# Altium PCB Ixora.PcbDoc (part 11 of 13)
Units mm, origin at the board's own origin, x right, y up, seen from the top; angles counter-clockwise.
Board outline 125 x 90 mm, 6 copper layers (Top Layer, GND, Mid-Layer 1, Mid-Layer 2, POWER, Bottom Layer), stack 1.561 mm thick; 454 components, 512 nets, 2071 pads, 863 vias.
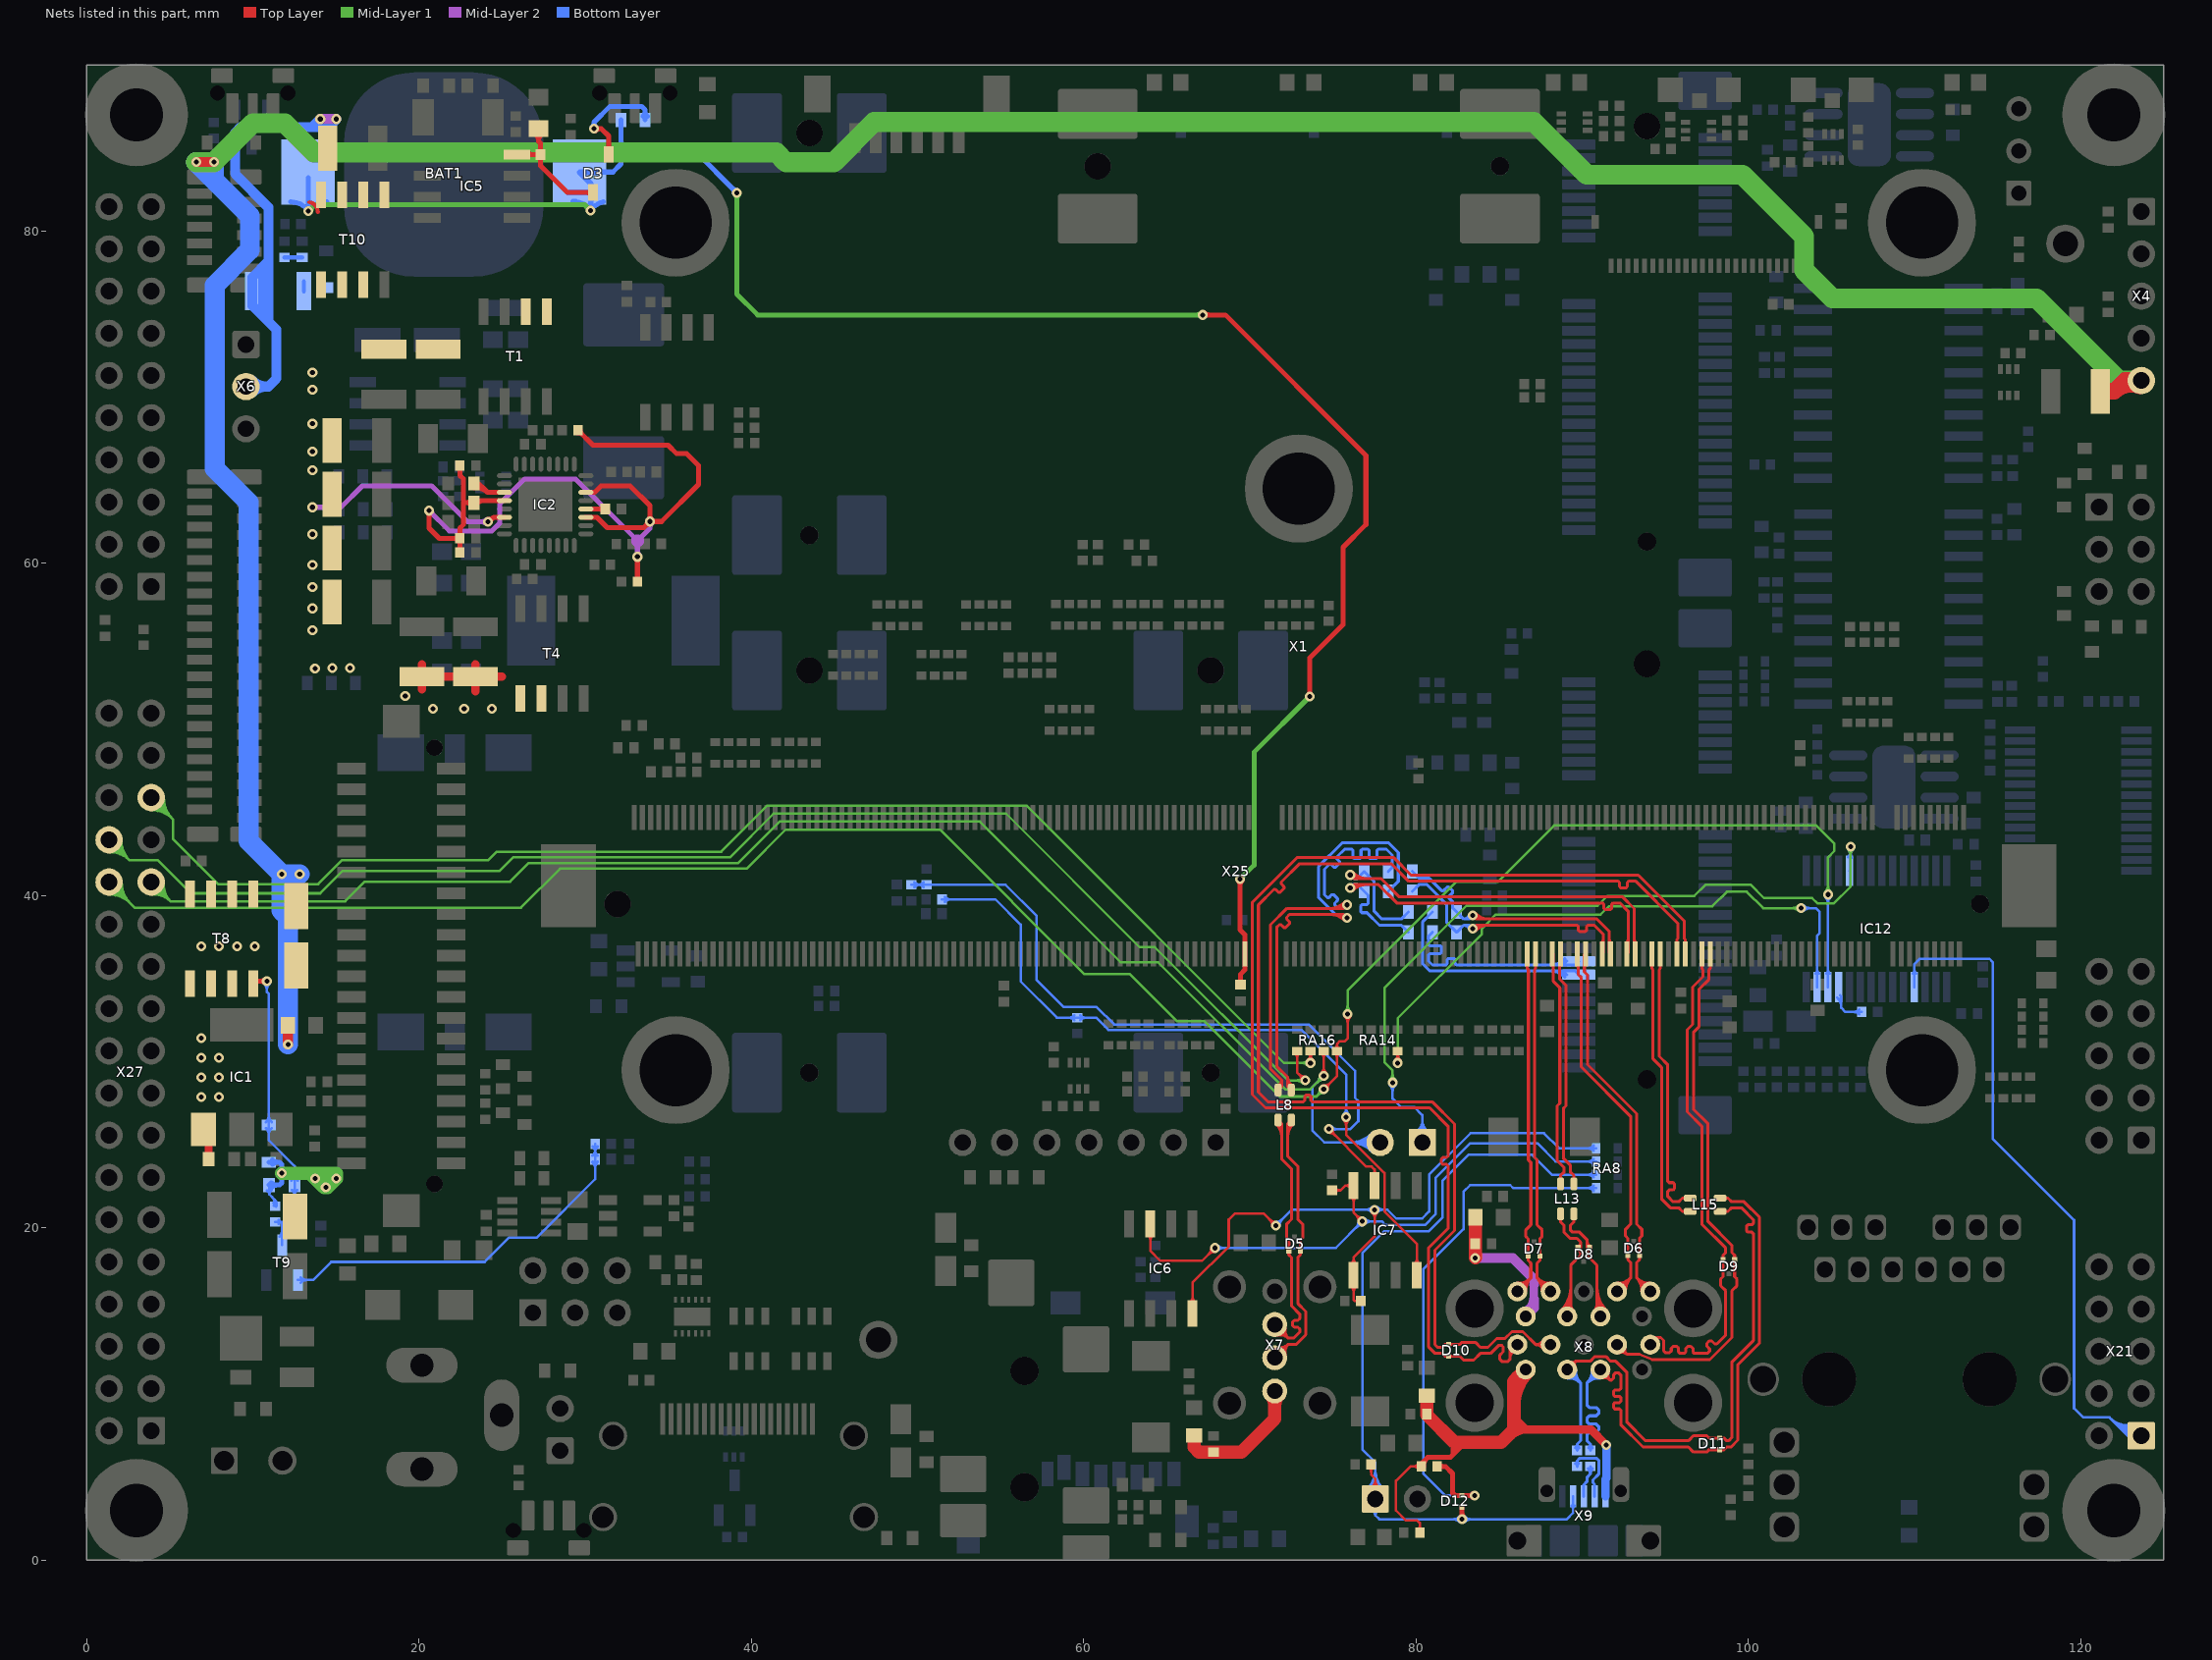
[diagram p15: the nets of this part, all layers, seen from the top]

## Via types
v1: diameter 0.6, hole 0.3, Top Layer to Bottom Layer, tented both sides, 852 vias
v2: diameter 0.6, hole 0.3, Top Layer to Bottom Layer, 11 vias

## Nets (pads, with @x,y where several pads share a name; then routed paths per layer and width w, separated by ;. In a path a pad name is that pad's centre, name@x,y a point inside that pad or via, vN(x,y) a via of type N, cw(c..) or ccw(c..) an arc to the next point about the centre after c; other vN are vias at no path point) (continued)
UART2_TXD: IC12.13 RA14.5 | length 42.7
  Top Layer w0.15: v1@78.741,30.093 ccw(c78.357,30.477) 78.9,30.477 ccw(c79.443,30.477) v1@79.059,30.093 ; RA14.5@78.776,30.51 cw(c78.477,30.211) 78.9,30.211 cw(c79.322,30.212) RA14.5@79.024,30.51 ; v1@78.79,30.13 ccw(c78.654,30.375) 78.924,30.303 ccw(c79.064,30.265) v1@79,30.136 ; v1@78.8,30.136 ccw(c78.736,30.265) 78.876,30.303 ccw(c79.146,30.375) v1@79.01,30.13 ; v1(78.9,29.934) RA14.5@78.9,30.634
  Mid-Layer 1 w0.15: v1@78.741,30.093 ccw(c78.357,30.477) 78.9,30.477 ccw(c79.443,30.477) v1@79.059,30.093 ; v1(78.9,29.934) 78.9,32.624 83.971,37.695 83.971,38.025 84.808,38.862 91.11,38.862 91.618,39.37 97.841,39.37 98.704,40.234 99.91,40.234 100.89,39.253 v1(103.176,39.253) ; v1@103.017,39.094 ccw(c102.632,38.71) 102.632,39.253 ccw(c102.632,39.796) v1@103.017,39.412
  Bottom Layer w0.15: v1(103.176,39.253) 104.054,39.253 104.292,39.014 104.292,37.744 104.143,37.595 IC12.13@104.143,34.5 ; v1@103.335,39.094 cw(c103.719,38.71) 103.719,39.253 cw(c103.719,39.796) v1@103.335,39.412 ; IC12.13@104.037,35.306 ccw(c103.781,35.562) 104.143,35.562 ccw(c104.505,35.562) IC12.13@104.249,35.306
UART3_RS232_RXD: IC12.4 X21.1 | length 50.4
  Bottom Layer w0.15: IC12.4@109.887,35.306 ccw(c109.631,35.562) 109.993,35.562 ccw(c110.355,35.562) IC12.4@110.099,35.306 ; IC12.4@109.993,34.5 109.993,35.878 110.321,36.205 114.502,36.205 114.706,36.001 114.706,25.375 119.6,20.481 119.6,9.15 120.15,8.6 121.727,8.6 ; 121.898,8.429 ccw(c122.963,9.495) X21.1@123.447,8.068 ; 122.068,8.259 ccw(c123.049,9.24) X21.1@123.495,7.926 ; 122.239,8.088 ccw(c123.136,8.985) X21.1@123.544,7.784 ; 122.409,7.918 ccw(c123.222,8.731) X21.1@123.592,7.642 ; 122.58,7.747 ccw(c123.309,8.476) X21.1@123.64,7.5 122.827,7.5 121.727,8.6 ; 122.75,7.577 ccw(c123.395,8.221) X21.1@123.688,7.358 ; X21.1@123.399,8.21 cw(c122.876,9.749) 121.727,8.6
UART3_RS232_TXD: IC12.11 R115.1 | length 4
  Bottom Layer w0.15: IC12.11@105.337,33.872 cw(c104.732,33.267) 105.588,33.267 ; IC12.11@105.443,33.8 cw(c105.094,33.451) 105.588,33.451 ; IC12.11@105.512,34.011 105.588,33.935 105.588,33.249 105.836,33 R115.1@106.827,33 ; R115.1@106.679,32.852 ccw(c106.32,32.493) 106.32,33 ccw(c106.32,33.507) R115.1@106.679,33.149
UART3_RXD: JP3.2 RA16.6 X27.27 | length 105.3
  Top Layer w0.15: v1@74.291,29.311 ccw(c73.907,29.696) 74.45,29.696 ccw(c74.993,29.696) v1@74.609,29.311 ; RA16.6@74.326,30.51 cw(c74.028,30.211) 74.45,30.211 cw(c74.872,30.212) RA16.6@74.574,30.51 ; v1(74.45,29.152) RA16.6@74.45,30.634
  Mid-Layer 1 w0.15: X27.27@3.9,40.82 5.053,39.667 ; X27.27@3.935,40.371 cw(c3.999,39.535) 4.592,40.128 cw(c5.185,40.721) X27.27@4.349,40.785 ; X27.27@3.946,40.222 cw(c4.032,39.107) 4.822,39.898 cw(c5.613,40.688) X27.27@4.498,40.774 ; X27.27@3.958,40.072 cw(c4.065,38.679) 5.053,39.667 ; X27.27@4.648,40.762 ccw(c6.041,40.655) 5.053,39.667 ; v1@74.225,29.152 cw(c73.682,29.152) 74.066,28.768 cw(c74.45,28.384) v1@74.45,28.927 ; v1(74.45,29.152) 73.644,28.346 72.136,28.346 64.491,35.992 62.23,35.992 53.763,44.458 41.708,44.458 39.22,41.97 26.62,41.97 25.5,40.85 16.75,40.85 15.567,39.667 5.053,39.667
  Bottom Layer w0.15: v1@74.225,29.152 cw(c73.682,29.152) 74.066,28.768 cw(c74.45,28.384) v1@74.45,28.927 ; v1(74.45,29.152) 73.762,28.464 73.762,25.868 74.48,25.15 JP3.2@77.844,25.15 ; JP3.2@77.314,24.62 ccw(c76.033,23.339) 76.033,25.15 ccw(c76.033,26.961) JP3.2@77.314,25.68 ; JP3.2@77.42,24.726 ccw(c76.395,23.701) 76.395,25.15 ccw(c76.395,26.599) JP3.2@77.42,25.574 ; JP3.2@77.526,24.832 ccw(c76.758,24.064) 76.758,25.15 ccw(c76.758,26.236) JP3.2@77.526,25.468
UART3_RXD_J: IC12.19 JP3.1 | length 53.7
  Mid-Layer 1 w0.15: v1@78.436,28.912 ccw(c78.052,29.296) 78.595,29.296 ccw(c79.138,29.296) v1@78.754,28.912 ; v1(78.595,28.753) 78.595,29.482 78.1,29.977 78.1,34.451 83.045,39.395 90.932,39.395 91.516,39.98 96.749,39.98 97.435,40.666 100.132,40.666 100.946,39.853 103.841,39.853 104.168,39.525 105.133,39.525 106.15,40.542 v1(106.15,42.95) ; v1@105.991,42.791 cw(c105.607,42.407) 106.15,42.407 cw(c106.693,42.407) v1@106.309,42.791
  Bottom Layer w0.15: v1@78.436,28.594 cw(c78.052,28.21) 78.595,28.21 cw(c79.138,28.21) v1@78.754,28.594 ; v1(78.595,28.753) 78.595,27.796 79.112,27.28 79.902,27.28 80.384,26.797 JP3.1@80.384,25.15 ; JP3.1@80.002,25.795 ccw(c79.605,26.466) 80.384,26.466 ccw(c81.163,26.466) JP3.1@80.766,25.795 ; JP3.1@80.078,25.666 ccw(c79.76,26.203) 80.384,26.203 ccw(c81.008,26.203) JP3.1@80.69,25.666 ; IC12.19@105.987,42.306 ccw(c105.594,42.699) v1@106.15,42.699 ; v1@105.994,42.788 cw(c105.638,42.42) 106.15,42.42 cw(c106.662,42.42) v1@106.306,42.788 ; IC12.19@106.018,42.33 ccw(c105.841,42.638) 106.184,42.546 ; IC12.19@106.05,42.344 ccw(c106.016,42.458) 106.131,42.489 ; IC12.19@106.093,41.5 106.15,41.557 v1(106.15,42.95) ; 106.15,42.425 ccw(c106.318,42.425) IC12.19@106.199,42.306 ; 106.186,42.555 ccw(c106.543,42.459) IC12.19@106.223,42.275
UART3_TXD: IC12.12 RA16.5 X27.28 | length 145.7
  Top Layer w0.15: v1(74.45,28.35) 75.25,29.15 RA16.5@75.25,30.634 75.25,31.079 75.413,31.242 75.729,31.242 75.889,31.402 v1(75.889,32.872) ; v1@74.45,28.575 ccw(c74.45,29.118) 74.834,28.734 ccw(c75.218,28.35) v1@74.675,28.35 ; RA16.5@75.126,30.51 cw(c74.828,30.212) 75.25,30.212 cw(c75.672,30.212) RA16.5@75.374,30.51 ; RA16.5@75.126,30.758 ccw(c74.828,31.056) 75.25,31.056 ccw(c75.672,31.056) RA16.5@75.374,30.758 ; v1@75.73,32.713 cw(c75.346,32.329) 75.889,32.329 cw(c76.432,32.329) v1@76.048,32.713
  Mid-Layer 1 w0.15: X27.28@1.36,40.07 cw(c1.36,38.259) 2.64,39.54 cw(c3.921,40.82) X27.28@2.11,40.82 ; X27.28@1.36,40.22 cw(c1.36,38.771) 2.384,39.796 cw(c3.409,40.82) X27.28@1.96,40.82 ; X27.28@1.36,40.37 cw(c1.36,39.284) 2.128,40.052 cw(c2.896,40.82) X27.28@1.81,40.82 ; X27.28@1.36,40.82 2.9,39.28 26.15,39.28 28.501,41.631 39.731,41.631 42.075,43.975 51.351,43.975 60.046,35.281 62.789,35.281 65.608,32.461 67.259,32.461 71.806,27.915 74.015,27.915 v1(74.45,28.35) ; v1@74.225,28.35 cw(c73.682,28.35) 74.066,27.966 cw(c74.45,27.582) v1@74.45,28.125 ; v1@75.73,33.031 ccw(c75.346,33.415) 75.889,33.415 ccw(c76.432,33.415) v1@76.048,33.031 ; v1(75.889,32.872) 75.889,34.287 82.445,40.843 84.94,40.843 88.318,44.221 104.089,44.221 105.181,43.129 105.181,42.697 104.793,42.309 v1(104.793,40.069) ; v1@104.634,40.228 ccw(c104.25,40.613) 104.793,40.613 ccw(c105.336,40.613) v1@104.952,40.228
  Bottom Layer w0.15: v1@104.634,39.91 cw(c104.25,39.526) 104.793,39.526 cw(c105.336,39.526) v1@104.952,39.91 ; IC12.12@104.687,35.306 ccw(c104.431,35.562) 104.793,35.562 ccw(c105.155,35.562) IC12.12@104.899,35.306 ; IC12.12@104.793,34.5 v1(104.793,40.069)
UART4_RXD: RA16.8 X27.30 | length 92.5
  Top Layer w0.15: RA16.8@72.726,30.51 cw(c72.428,30.212) 72.85,30.212 cw(c73.272,30.212) RA16.8@72.974,30.51 ; RA16.8@72.85,30.634 72.85,29.364 v1(73.333,28.881) ; v1@73.108,28.881 ccw(c72.564,28.881) 72.949,29.265 ccw(c73.333,29.65) v1@73.333,29.106
  Mid-Layer 1 w0.15: X27.30@1.36,43.36 2.57,42.15 ; X27.30@1.378,42.91 cw(c1.417,41.965) 2.086,42.634 cw(c2.755,43.303) X27.30@1.81,43.342 ; X27.30@1.384,42.76 cw(c1.436,41.5) 2.328,42.392 cw(c3.22,43.284) X27.30@1.96,43.336 ; X27.30@1.391,42.611 cw(c1.455,41.035) 2.57,42.15 ; X27.30@2.109,43.329 ccw(c3.685,43.265) 2.57,42.15 ; v1@73.174,28.722 ccw(c72.789,28.338) 72.789,28.881 ccw(c72.789,29.425) v1@73.174,29.04 ; v1(73.333,28.881) 72.312,28.881 64.287,36.906 63.373,36.906 55.338,44.942 41.342,44.942 38.71,42.31 25.673,42.31 24.841,41.478 15.398,41.478 14.062,40.142 6.287,40.142 4.279,42.15 2.57,42.15
UART4_TXD: RA16.7 X27.31 | length 91.7
  Top Layer w0.15: v1@73.491,30.093 ccw(c73.107,30.477) 73.65,30.477 ccw(c74.193,30.477) v1@73.809,30.093 ; RA16.7@73.526,30.51 cw(c73.228,30.211) 73.65,30.211 cw(c74.072,30.212) RA16.7@73.774,30.51 ; v1@73.54,30.13 ccw(c73.404,30.375) 73.674,30.303 ccw(c73.814,30.265) v1@73.75,30.136 ; v1@73.55,30.136 ccw(c73.486,30.265) 73.626,30.303 ccw(c73.896,30.375) v1@73.76,30.13 ; v1(73.65,29.934) RA16.7@73.65,30.634
  Mid-Layer 1 w0.15: X27.31@3.9,45.15 cw(c3.9,43.339) 5.18,44.62 cw(c6.461,45.9) X27.31@4.65,45.9 ; X27.31@3.9,45.3 cw(c3.9,43.851) 4.924,44.876 cw(c5.949,45.9) X27.31@4.5,45.9 ; X27.31@3.9,45.45 cw(c3.9,44.364) 4.668,45.132 cw(c5.436,45.9) X27.31@4.35,45.9 ; X27.31@3.9,45.9 5.2,44.6 5.2,43.416 7.916,40.7 13.95,40.7 15.389,42.139 24.181,42.139 24.692,42.65 38.2,42.65 40.975,45.425 56.564,45.425 72.055,29.934 v1(73.65,29.934) ; v1@73.491,29.775 ccw(c73.107,29.391) 73.107,29.934 ccw(c73.107,30.477) v1@73.491,30.093
USBH2_D_N: R50.1 R118.1 X1.82 | length 29.4
  Top Layer w0.18: v1(76.045,40.461) 76.255,40.671 77.731,40.671 78.843,39.559 90.551,39.559 91.229,39.559 91.301,39.487 91.301,39.24 91.373,39.168 91.711,39.168 91.783,39.24 91.783,39.487 91.855,39.559 92.024,39.559 92.277,39.559 92.765,39.071 92.765,36.565 X1.82@92.7,36.5 ; v1@76.067,40.44 cw(c76.625,39.881) 76.625,40.671 ; v1@76.194,40.312 cw(c77.059,39.447) 77.059,40.671 ; X1.82@92.658,37.142 ccw(c92.398,37.402) 92.765,37.402
  Bottom Layer w0.18: v1(76.045,40.461) 76.255,40.671 76.473,40.671 ; v1@76.075,40.46 cw(c76.29,40.457) 76.29,40.671 ; v1@76.255,40.457 cw(c76.473,40.453) 76.473,40.671 ; R118.1@79.547,37.8 79.123,38.225 77.799,38.225 77.047,38.976 76.74,38.976 76.668,39.048 76.668,39.386 76.74,39.458 77.047,39.458 77.12,39.53 77.12,40.024 R50.1@76.885,40.259 76.473,40.671
USBH2_D_P: R69.1 R119.1 X1.80 | length 29.4
  Top Layer w0.18: v1(76.045,41.251) 76.255,41.041 77.884,41.041 78.997,39.929 92.431,39.929 93.135,39.224 93.135,36.565 X1.80@93.2,36.5 ; v1@76.067,41.272 ccw(c76.625,41.83) 76.625,41.041 ; v1@76.194,41.399 ccw(c77.059,42.265) 77.059,41.041 ; 93.135,37.402 ccw(c93.502,37.402) X1.80@93.242,37.142
  Bottom Layer w0.18: v1(76.045,41.251) 76.255,41.041 76.473,41.041 ; v1@76.075,41.251 ccw(c76.29,41.255) 76.29,41.041 ; v1@76.255,41.255 ccw(c76.473,41.258) 76.473,41.041 ; R119.1@79.547,39.019 79.123,38.595 77.952,38.595 77.49,39.057 77.49,40.848 R69.1@76.885,41.453 76.473,41.041
USBH3_D_N: R96.1 R120.1 X1.88 | length 18.8
  Top Layer w0.18: v1(83.413,38.015) 83.623,38.225 83.998,38.225 ; v1@83.435,37.995 cw(c83.95,37.533) 83.95,38.225 ; v1@83.569,37.875 cw(c84.353,37.171) 84.353,38.225 83.998,38.225 ; X1.88@91.158,37.142 ccw(c90.898,37.402) 91.265,37.402 ; X1.88@91.2,36.5 91.265,36.565 91.265,37.69 90.73,38.225 90.5,38.225 90.331,38.225 90.259,38.152 90.259,37.906 90.187,37.834 89.849,37.834 89.777,37.906 89.777,38.152 89.705,38.225 88.798,38.225 83.998,38.225
  Bottom Layer w0.18: R96.1@79.782,40.257 80.207,40.681 80.639,40.681 81.84,39.48 81.84,38.405 R120.1@82.445,37.8 82.87,38.225 ; 83.102,38.225 cw(c83.102,37.934) v1@83.384,38.007 ; v1@83.209,37.962 ccw(c82.87,37.874) 82.87,38.225 ; v1(83.413,38.015) 83.203,38.225 82.87,38.225
USBH3_D_P: R103.1 R126.1 X1.86 | length 18.8
  Top Layer w0.18: v1(83.413,38.805) 83.623,38.595 83.998,38.595 ; v1@83.435,38.825 ccw(c83.95,39.287) 83.95,38.595 ; v1@83.569,38.945 ccw(c84.353,39.648) 84.353,38.595 83.998,38.595 ; 91.635,37.402 ccw(c92.002,37.402) X1.86@91.742,37.142 ; X1.86@91.7,36.5 91.635,36.565 91.635,37.843 90.883,38.595 83.998,38.595
  Bottom Layer w0.18: R103.1@79.782,41.476 80.207,41.051 80.792,41.051 81.545,40.299 81.647,40.299 81.873,40.525 81.976,40.525 82.214,40.286 82.214,40.184 81.988,39.958 81.988,39.856 82.21,39.633 82.21,39.254 R126.1@82.445,39.019 82.87,38.595 ; 83.102,38.595 ccw(c83.102,38.885) v1@83.384,38.812 ; v1@83.209,38.857 cw(c82.87,38.946) 82.87,38.595 ; v1(83.413,38.805) 83.203,38.595 82.87,38.595
USBH4_D_CON_N: D8.2 L13.3 X8.U2 | length 12.5
  Top Layer w0.18: L13.3@88.7,20.854 88.7,20.365 88.915,20.15 88.915,19.735 89.271,19.38 89.686,19.38 89.915,19.151 ; X8.U2@88.739,15.041 ccw(c87.362,16.418) 89.31,16.418 ; X8.U2@88.867,14.913 ccw(c87.796,15.984) 89.31,15.984 ; X8.U2@88.994,14.786 ccw(c88.231,15.549) 89.31,15.549 ; X8.U2@89.1,14.68 89.31,14.89 89.31,17.765 89.915,18.37 89.915,19.151 ; 89.31,15.404 ccw(c89.824,15.404) X8.U2@89.461,15.041 ; D8.2@89.711,18.791 cw(c89.319,18.342) 89.915,18.342 ; D8.2@89.731,18.893 ccw(c89.643,19.151) 89.915,19.151 ; D8.2@89.789,18.723 ccw(c89.729,18.899) 89.915,18.899 ; D8.2@89.829,18.927 cw(c89.664,18.737) 89.915,18.737
USBH4_D_CON_P: D8.1 L13.4 X8.U3 | length 12.6
  Top Layer w0.18: L13.4@89.5,20.854 89.5,20.365 89.285,20.15 89.285,19.889 89.424,19.75 89.839,19.75 90.285,19.304 ; 90.285,18.342 cw(c90.881,18.342) D8.1@90.489,18.791 ; 90.285,18.737 cw(c90.536,18.737) D8.1@90.371,18.927 ; 90.285,18.93 ccw(c90.525,18.93) D8.1@90.375,18.742 ; D8.1@90.487,18.883 cw(c90.824,19.304) 90.285,19.304 ; X8.U3@90.739,15.041 ccw(c90.376,15.404) 90.89,15.404 ; 90.89,15.549 ccw(c91.969,15.549) X8.U3@91.206,14.786 ; 90.89,15.984 ccw(c92.404,15.984) X8.U3@91.333,14.913 ; 90.89,16.418 ccw(c92.838,16.418) X8.U3@91.461,15.041 ; X8.U3@91.1,14.68 90.89,14.89 90.89,17.765 90.285,18.37 90.285,19.304
USBH4_D_N: L13.2 X1.100 | length 14.6
  Top Layer w0.18: X1.100@88.158,35.858 cw(c87.898,35.598) 88.265,35.598 ; X1.100@88.2,36.5 88.265,36.435 88.265,34.845 88.657,34.453 88.657,27.504 88.5,27.347 88.5,24.05 88.915,23.635 88.915,23.38 88.7,23.165 L13.2@88.7,22.654
USBH4_D_P: L13.1 X1.98 | length 14.6
  Top Layer w0.18: 88.635,35.598 cw(c89.002,35.598) X1.98@88.742,35.858 ; X1.98@88.7,36.5 88.635,36.435 88.635,34.998 89.027,34.606 89.027,27.351 88.87,27.194 88.87,24.203 89.285,23.788 89.285,23.38 89.5,23.165 L13.1@89.5,22.654
USBH4_SSRX_N: D6.2 X1.92 X8.U5 | length 25.4
  Top Layer w0.18: 90.135,35.598 cw(c90.502,35.598) X1.92@90.242,35.858 ; X1.92@90.2,36.5 90.135,36.435 90.135,35.411 90.322,35.223 90.322,29.837 93.285,26.875 93.285,20.23 93.59,19.925 93.59,19.519 93.45,19.38 D6.2@93.45,18.347 93.45,18.097 93.285,17.932 93.285,16.995 ; X8.U5@93.591,16.204 ccw(c92.544,16.254) 93.285,16.995 ; X8.U5@93.77,16.196 ccw(c93.093,16.228) 93.573,16.707 ccw(c94.052,17.187) X8.U5@94.084,16.51 ; X8.U5@94.076,16.689 cw(c94.026,17.736) 93.285,16.995 ; X8.U5@94.1,16.18 93.285,16.995
USBH4_SSRX_P: D6.1 X1.94 X8.U6 | length 25.4
  Top Layer w0.18: X1.94@89.658,35.858 cw(c89.398,35.598) 89.765,35.598 ; X1.94@89.7,36.5 89.765,36.435 89.765,35.258 89.952,35.07 89.952,29.684 92.915,26.722 92.915,20.23 92.61,19.925 92.61,19.519 92.75,19.38 D6.1@92.75,18.347 92.75,18.097 92.915,17.932 92.915,16.995 ; X8.U6@92.1,16.18 92.915,16.995 ; X8.U6@92.116,16.51 ccw(c92.148,17.187) 92.627,16.707 ccw(c93.106,16.228) X8.U6@92.43,16.196 ; X8.U6@92.124,16.689 ccw(c92.174,17.736) 92.915,16.995 ; X8.U6@92.609,16.204 cw(c93.656,16.254) 92.915,16.995
USBH4_SSTX_N: D7.2 X1.104 X8.U8 | length 23.9
  Top Layer w0.18: X1.104@87.2,36.5 87.2,35.611 87.135,35.546 87.135,24.245 87.285,24.095 87.285,20.194 87.59,19.889 87.59,19.483 87.45,19.343 D7.2@87.45,18.311 87.45,18.047 87.285,17.882 87.285,16.995 ; X8.U8@87.591,16.204 ccw(c86.544,16.254) 87.285,16.995 ; X8.U8@87.77,16.196 ccw(c87.093,16.228) 87.573,16.707 ccw(c88.052,17.187) X8.U8@88.084,16.51 ; X8.U8@88.076,16.689 cw(c88.026,17.736) 87.285,16.995 ; X8.U8@88.1,16.18 87.285,16.995
USBH4_SSTX_P: D7.1 X1.106 X8.U9 | length 23.9
  Top Layer w0.18: X8.U9@86.1,16.18 86.915,16.995 ; X8.U9@86.116,16.51 ccw(c86.148,17.187) 86.627,16.707 ccw(c87.107,16.228) X8.U9@86.43,16.196 ; X8.U9@86.124,16.689 ccw(c86.174,17.736) 86.915,16.995 ; X8.U9@86.609,16.204 cw(c87.656,16.254) 86.915,16.995 ; X1.106@86.7,36.5 86.7,35.611 86.765,35.546 86.765,24.092 86.915,23.942 86.915,20.194 86.61,19.889 86.61,19.483 86.75,19.343 D7.1@86.75,18.311 86.75,18.047 86.915,17.882 86.915,16.995
USBH_D_CON_N: D5.2 L8.2 X7.2 | length 19.9
  Top Layer w0.18: X7.2@71.5,12.19 72.315,13.005 ; X7.2@71.621,12.655 ccw(c71.745,13.13) 72.093,12.783 ccw(c72.44,12.435) X7.2@71.964,12.311 ; X7.2@71.666,12.829 ccw(c71.837,13.483) 72.315,13.005 ; X7.2@72.139,12.356 cw(c72.793,12.527) 72.315,13.005 ; 72.285,25.526 cw(c73.309,25.526) L8.2@72.585,26.25 ; 72.285,25.961 cw(c72.874,25.961) L8.2@72.458,26.377 ; L8.2@72.5,26.5 72.285,26.285 72.285,24.315 72.885,23.715 72.885,20.527 73.19,20.222 73.19,19.415 73.05,19.275 73.05,18.392 72.885,18.227 72.885,15.465 73.376,14.974 73.376,13.576 72.805,13.005 72.315,13.005
USBH_D_CON_P: D5.1 L8.1 X7.3 | length 19.9
  Top Layer w0.18: X7.3@71.5,14.19 72.315,13.375 72.652,13.375 73.006,13.729 73.006,13.92 72.901,14.025 72.681,14.025 72.576,14.13 72.576,14.34 72.681,14.445 72.901,14.445 73.006,14.55 73.006,14.821 72.515,15.312 72.515,18.227 72.35,18.392 72.35,19.275 72.21,19.415 72.21,20.222 72.515,20.527 72.515,23.562 71.915,24.162 71.915,26.285 L8.1@71.7,26.5 ; L8.1@71.615,26.25 cw(c70.891,25.526) 71.915,25.526 ; X7.3@71.621,13.725 cw(c71.745,13.249) 72.093,13.597 cw(c72.441,13.945) X7.3@71.964,14.069 ; X7.3@71.666,13.551 cw(c71.837,12.897) 72.315,13.375 cw(c72.793,13.853) X7.3@72.139,14.024 ; L8.1@71.742,26.377 cw(c71.326,25.961) 71.915,25.961
USBH_D_FILT_N: L8.3 R50.2 R96.2 | length 31.4
  Top Layer w0.18: 72.285,28.744 ccw(c72.674,28.744) L8.3@72.468,28.414 ; L8.3@72.5,28.3 72.285,28.515 72.285,29.068 ; L8.3@72.563,28.567 cw(c72.875,29.068) 72.285,29.068 ; 74.83,38.87 cw(c74.83,37.646) v1@75.696,38.512 ; 75.265,38.87 cw(c75.265,38.081) v1@75.823,38.639 ; v1(75.844,38.66) 75.634,38.87 72.389,38.87 72.219,38.7 72.219,38.598 72.394,38.423 72.394,38.321 72.155,38.082 72.053,38.082 71.878,38.257 71.776,38.257 71.617,38.098 71.617,29.736 72.285,29.068
  Bottom Layer w0.18: 75.454,38.87 cw(c75.454,38.462) v1@75.818,38.646 ; v1@75.657,38.565 ccw(c75.161,38.314) 75.161,38.87 ; v1(75.844,38.66) 75.634,38.87 75.161,38.87 ; R96.2@78.332,40.259 78.94,40.866 78.94,42.599 78.365,43.174 75.557,43.174 74.128,41.745 74.128,39.903 75.161,38.87
USBH_D_FILT_P: L8.4 R69.2 R103.2 | length 30.9
  Top Layer w0.18: L8.4@71.666,28.58 ccw(c71.566,28.915) 71.915,28.915 ; L8.4@71.7,28.3 71.915,28.515 71.915,28.915 ; L8.4@71.717,28.407 ccw(c71.638,28.673) 71.915,28.673 ; 74.83,39.24 ccw(c74.83,40.464) v1@75.696,39.598 ; 75.265,39.24 ccw(c75.265,40.029) v1@75.823,39.471 ; v1(75.844,39.45) 75.634,39.24 72.236,39.24 71.247,38.251 71.247,29.583 71.915,28.915
  Bottom Layer w0.18: 75.541,39.24 ccw(c75.541,39.521) v1@75.815,39.457 ; v1@75.64,39.498 cw(c75.314,39.575) 75.314,39.24 ; v1(75.844,39.45) 75.634,39.24 75.314,39.24 ; R69.2@78.335,41.453 78.57,41.688 78.57,42.446 78.212,42.804 77.73,42.804 77.658,42.732 77.658,42.299 77.586,42.227 77.248,42.227 77.176,42.299 77.176,42.732 77.104,42.804 76.766,42.804 76.694,42.732 76.694,42.303 76.622,42.231 76.284,42.231 76.212,42.303 76.212,42.732 76.14,42.804 75.71,42.804 75.23,42.324 75.23,42.222 75.405,42.047 75.405,41.945 75.166,41.707 75.064,41.707 74.889,41.881 74.787,41.881 74.498,41.592 74.498,40.056 74.665,39.889 74.767,39.889 74.942,40.063 75.044,40.063 75.283,39.825 75.283,39.722 75.108,39.548 75.108,39.446 75.314,39.24
USBH_EN: IC6.3 IC7.4 R49.2 RA8.6 | length 45.7
  Top Layer w0.15: IC6.3@63.856,19.591 cw(c63.472,19.207) 64.015,19.207 cw(c64.558,19.207) IC6.3@64.174,19.591 ; IC6.3@64.015,20.25 64.015,18.627 64.608,18.034 67.134,18.034 v1(67.9,18.8) ; v1@67.675,18.8 cw(c67.132,18.8) 67.516,18.416 cw(c67.9,18.032) v1@67.9,18.575 ; R49.2@74.95,22.27 75.46,22.27 ; R49.2@75.128,22.126 cw(c75.46,21.815) 75.46,22.27 ; R49.2@75.128,22.414 ccw(c75.46,22.725) 75.46,22.27 ; IC7.4@76.078,22.4 ccw(c75.74,22.096) 75.74,22.55 ; IC7.4@76.078,22.7 cw(c75.74,23.004) 75.74,22.55 ; IC7.4@76.086,21.891 cw(c75.702,21.507) 76.245,21.507 cw(c76.788,21.507) IC7.4@76.404,21.891 ; v1@76.55,20.4 ccw(c76.007,20.4) 76.391,20.784 ccw(c76.775,21.168) v1@76.775,20.625 ; v1(76.775,20.4) 76.245,20.93 IC7.4@76.245,22.55 75.74,22.55 ; 75.46,22.27 75.74,22.55
  Bottom Layer w0.15: v1(67.9,18.8) 75.175,18.8 v1(76.775,20.4) 77.949,20.4 78.164,20.185 80.535,20.185 81.178,20.828 81.178,23.012 83.266,25.1 87.3,25.1 88.4,24 RA8.6@90.85,24 ; v1@68.059,18.641 cw(c68.443,18.257) 68.443,18.8 cw(c68.443,19.343) v1@68.059,18.959 ; v1@76.55,20.4 cw(c76.007,20.4) 76.391,20.016 cw(c76.775,19.632) v1@76.775,20.175 ; v1@76.934,20.241 cw(c77.318,19.857) 77.318,20.4 cw(c77.318,20.943) v1@76.934,20.559 ; RA8.6@90.691,23.841 ccw(c90.307,23.457) 90.307,24 ccw(c90.307,24.543) RA8.6@90.691,24.159
USBH_OC#: IC6.8 IC7.5 R48.2 RA8.5 | length 47.6
  Top Layer w0.15: IC6.8@66.396,15.509 ccw(c66.012,15.893) 66.555,15.893 ccw(c67.098,15.893) IC6.8@66.714,15.509 ; IC6.8@66.555,14.85 66.555,16.709 68.732,18.887 68.732,20.503 69.108,20.879 70.827,20.879 v1(71.565,20.14) ; v1@71.34,20.14 ccw(c70.797,20.14) 71.181,20.524 ccw(c71.565,20.908) v1@71.565,20.365 ; IC7.5@76.086,16.491 cw(c75.702,16.107) 76.245,16.107 cw(c76.788,16.107) IC7.5@76.404,16.491 ; IC7.5@76.086,17.809 ccw(c75.702,18.193) 76.245,18.193 ccw(c76.788,18.193) IC7.5@76.404,17.809 ; R48.2@76.68,15.6 76.33,15.6 76.245,15.685 IC7.5@76.245,17.15 76.245,18.22 77.515,19.49 v1(77.515,21.1) ; v1@77.356,20.941 cw(c76.972,20.557) 77.515,20.557 cw(c78.058,20.557) v1@77.674,20.941